# Altium PCB Mainboard.PcbDoc (part 1 of 4)
Units mm, origin at the board's own origin, x right, y up, seen from the top; angles counter-clockwise.
Board outline 90 x 175 mm, 2 copper layers (L1_Top, L14_Bot), stack 1.67 mm thick; 329 components, 192 nets, 950 pads, 1091 vias.
Unrouted connection lines stored in the file: 3.
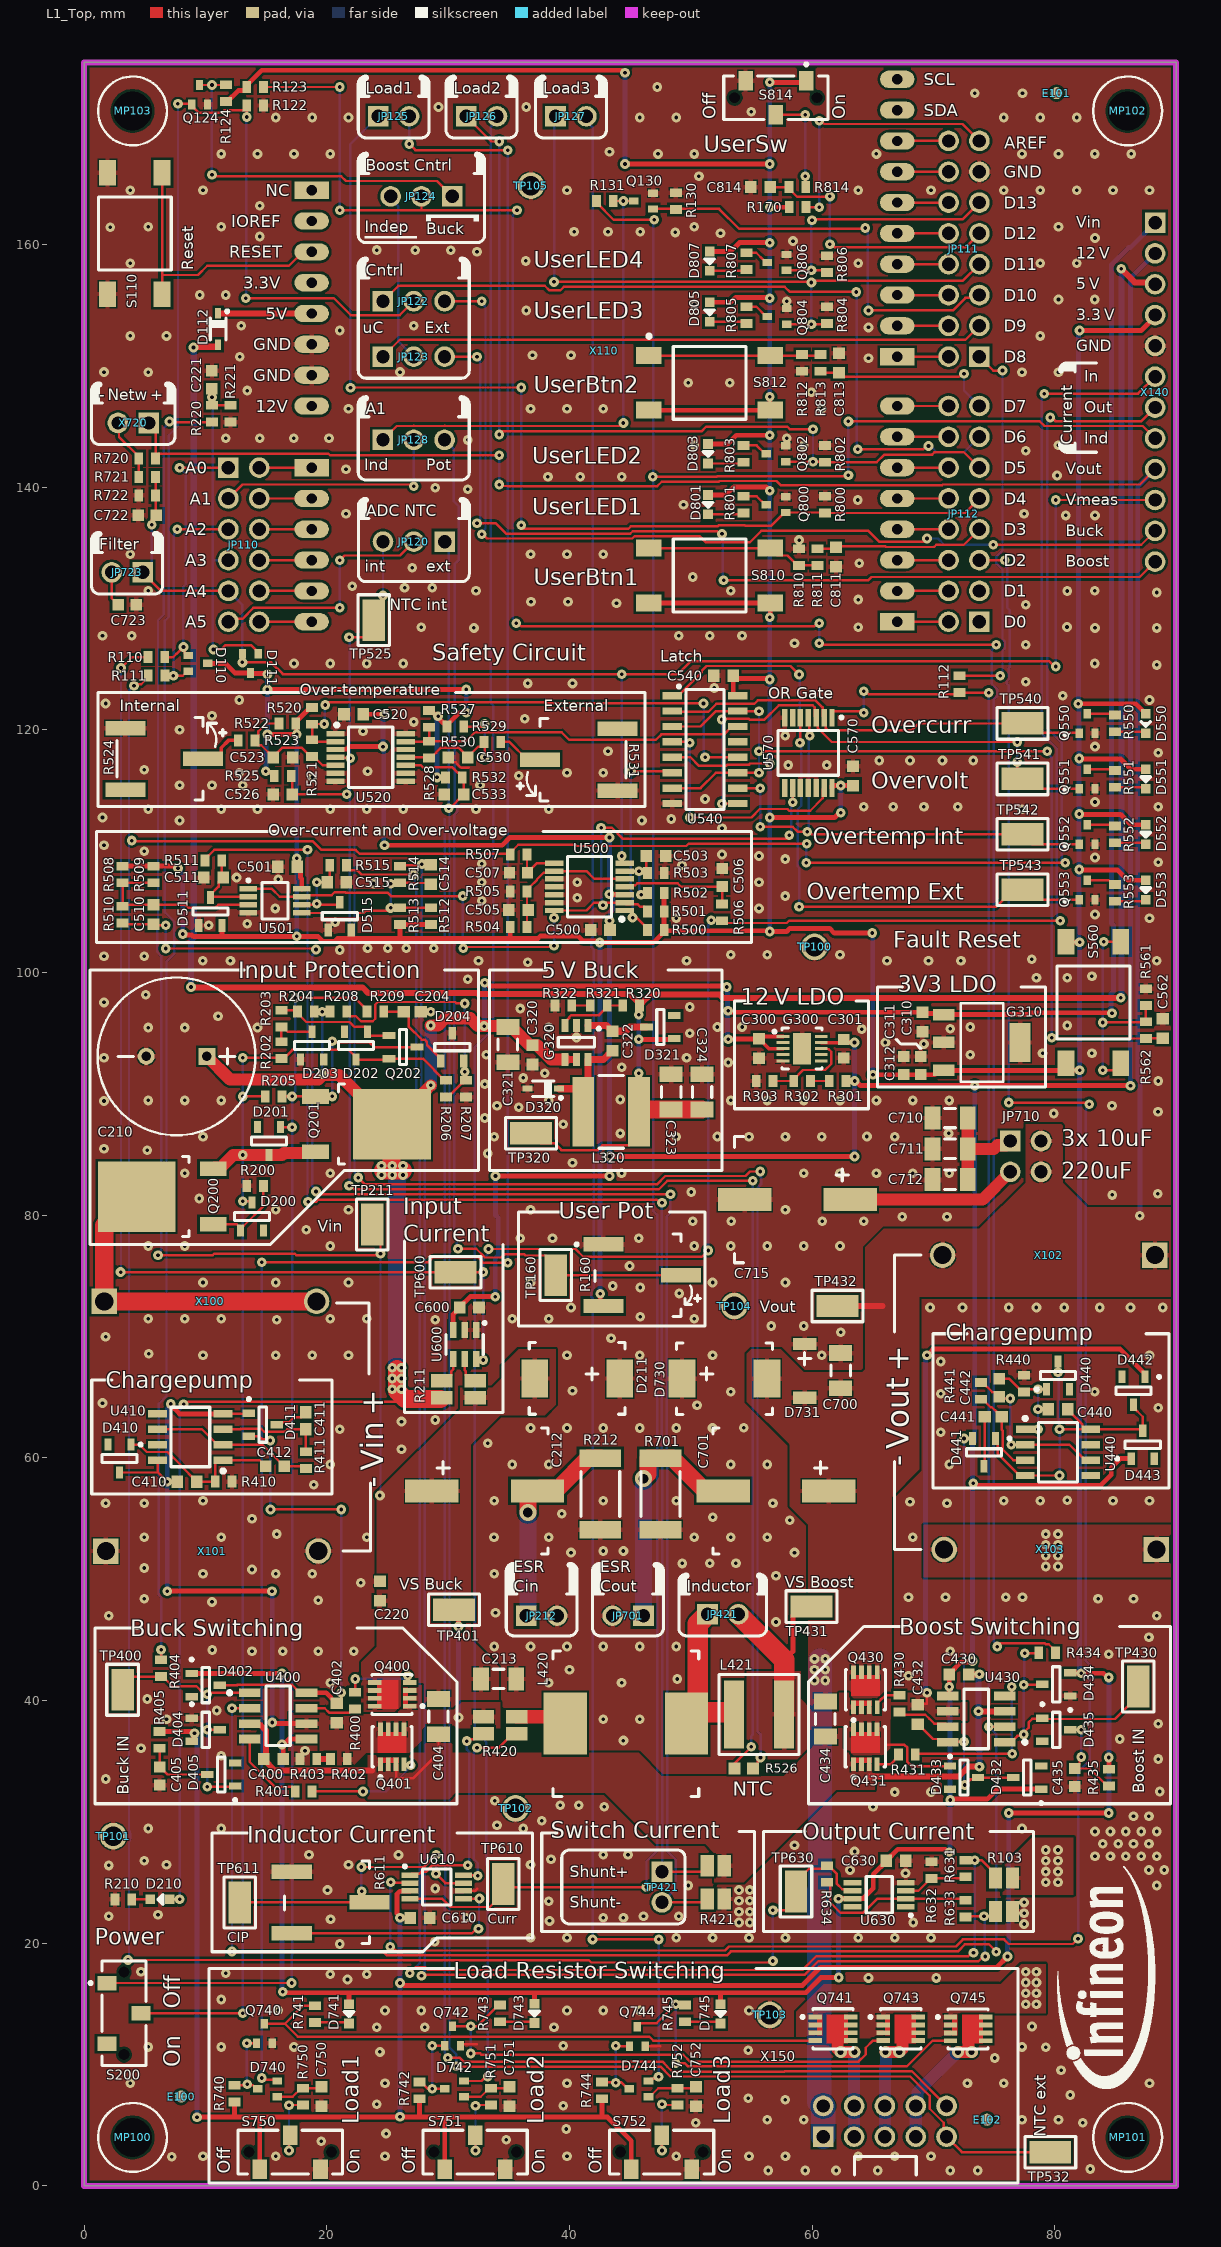
[diagram p0: L1_Top view]
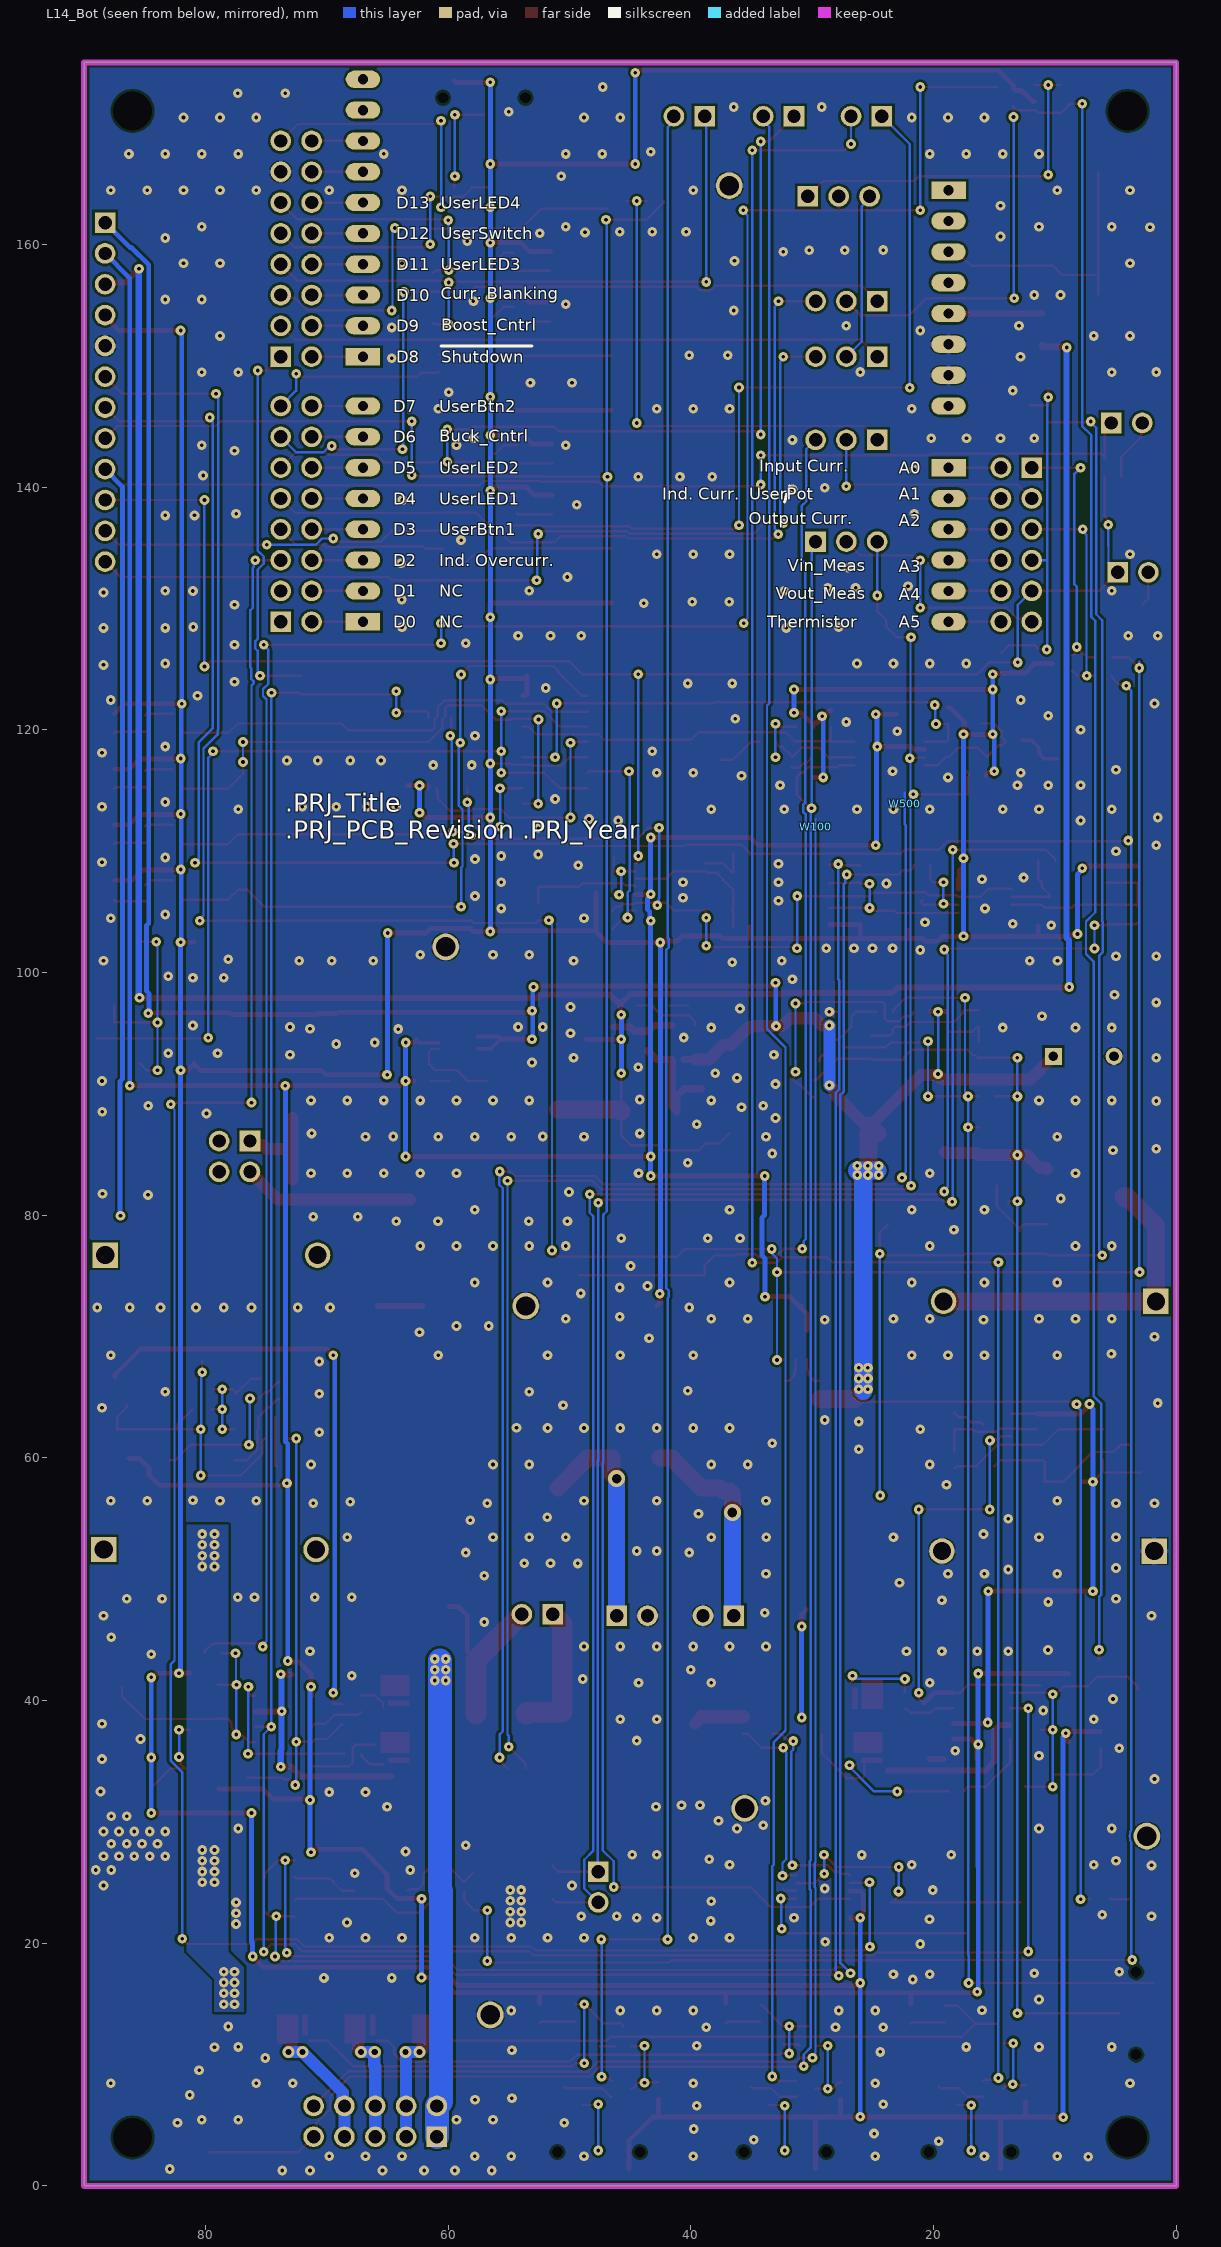
[diagram p1: L14_Bot view, seen from below]

## Layer stack, top to bottom
Top Solder: solder mask 0.02, Solder Resist, Dk 3.5
L1_Top: signal copper 0.035
Dielectric: prepreg 1.6, FR-4, Dk 4.3
L14_Bot: signal copper 0.035
Bottom Solder: solder mask 0.02, Solder Resist, Dk 3.5

## Board outline
0,0 0,175 90,175 90,0

## Design rules (kind name [scope] priority, off if disabled: settings)
Clearance Clearance_Fiducials [InComponentClass('Fiducials')] p1 off: gap=1 ignorepadtopadclearanceinfootprint=FALSE except(0: Arc-Hole Track-Hole SMDPad-Hole THPad-Hole Via-Hole Fill-Hole Poly-Hole Region-Hole Text-Hole)
Clearance Clearance_Edge_Fiducials [InComponentClass('Fiducials')] p2 off: gap=6 ignorepadtopadclearanceinfootprint=FALSE except(0: Arc-Hole Track-Hole SMDPad-Hole THPad-Hole Via-Hole Fill-Hole Poly-Hole Region-Hole Text-Hole) // Protel DXP Scope 2 Expression Was: IsBoardOutline
Clearance Clearance_All [All] p3: gap=0.2 ignorepadtopadclearanceinfootprint=FALSE // minimum Clearance on PCB
ComponentClearance ComponentClearance_All [All] p1: gap=0.2 collisioncheckmode=3 verticalgap=1 showdistances=FALSE
DiffPairsRouting DiffPairsRouting_Z0_DIFF_100R [InNetClass('Z0_DIFF_100R')] p1: maxlimit=0.2 minlimit=0.2 mostfreqgap=0.2 toplayer_minwidth=0.381 toplayer_maxwidth=0.381 toplayer_prefwidth=0.381 bottomlayer_minwidth=0.381 bottomlayer_maxwidth=0.381 bottomlayer_prefwidth=0.381 maxuncoupledlength=25
DiffPairsRouting DiffPairsRouting_All [All] p2: maxlimit=0.5 minlimit=0.12 mostfreqgap=0.15 toplayer_minwidth=0.381 toplayer_maxwidth=0.381 toplayer_prefwidth=0.381 bottomlayer_minwidth=0.381 bottomlayer_maxwidth=0.381 bottomlayer_prefwidth=0.381 maxuncoupledlength=25
FabricationTestPointUsage TestPointUsage [All] p1: valid=0 allowmultiple=FALSE
FabricationTestpoint Testpoint [All] p1: side=3 testpointundercomponent=TRUE minsize=1 maxsize=2.5 preferedsize=1.5 minholesize=0 maxholesize=1 preferedholesize=0.8 testpointgrid=0.025 allowsidetop=TRUE allowsidebottom=TRUE usegrid=TRUE gridtolerance=0
FanoutControl Fanout_LCC [All] p1 off: bgadir=Out bgaviamode=Centered fanoutstyle=Auto fanoutdirection=Alternating viagrid=0.025 // Protel DXP Scope 1 Expression Was: IsLCC   Fanout_LCC (Default Rule)
FanoutControl Fanout_BGA [All] p2 off: bgadir=Out bgaviamode=Centered fanoutstyle=Auto fanoutdirection=Alternating viagrid=0.025 // Protel DXP Scope 1 Expression Was: IsBGA   Fanout_BGA (Default Rule)
FanoutControl Fanout_SOIC [All] p3 off: bgadir=Out bgaviamode=Centered fanoutstyle=Auto fanoutdirection=Alternating viagrid=0.025 // Protel DXP Scope 1 Expression Was: IsSOIC   Fanout_SOIC (Default Rule)
FanoutControl Fanout_Default [All] p4: bgadir=Out bgaviamode=Centered fanoutstyle=Auto fanoutdirection=Alternating viagrid=0.025 // Fanout_Default (Default Rule)
FanoutControl Fanout_Small [All] p5 off: bgadir=Out bgaviamode=Centered fanoutstyle=Auto fanoutdirection=Alternating viagrid=0.025 // Protel DXP Scope 1 Expression Was: (CompPinCount < 5)   Fanout_Small (Default Rule)
Height Height_Top_In_Area [WithinRoom('Height_Top_Area')] p1: minheight=0 maxheight=8.4 prefheight=5.7 // Dedicated Height Constraint in Area
Height Height_Bot_No_Constraint [InComponentClass('Height_Bottom_exclude')] p2: minheight=0 maxheight=999 prefheight=12.7 // no max. Height constraint on Bottom Side
Height Height_Top_No_Constraint [InComponentClass('Height_Top_exclude')] p3: minheight=0 maxheight=999 prefheight=12.7 // no max. Height constraint on Top Side
Height Height_Bot [OnBottom] p4: minheight=0 maxheight=3 prefheight=2.5 // max. Component Height on PCB Bottom Side
Height Height_All [All] p5: minheight=0 maxheight=50 prefheight=12.7 // Default Component Height
HoleSize HoleSize_All [All] p1: absolutevalues=TRUE maxlimit=6.3 minlimit=0.3 maxpercent=80.000 minpercent=20.000
HoleToHoleClearance [All] p1: gap=0.25 allowstackedmicrovias=TRUE
Length Length_HighSpeed [InNetClass('HighSpeed')] p1: maxlimit=250 minlimit=0
Length Length_Default [InNetClass('TraceLength')] p2: maxlimit=500 minlimit=0 // min./max. Trace Length will be applied
MatchedLengths MatchedLengths_HighSpeed [InNetClass('HighSpeed')] p1: tolerance=25.4 checknetsindiffpair=FALSE checkdiffpairvsdiffpair=TRUE checkxsignals=TRUE checkothers=TRUE
MatchedLengths MatchedLengths_Default [InNetClass('MatchedLength')] p2: tolerance=100.5 checknetsindiffpair=TRUE checkdiffpairvsdiffpair=FALSE checkxsignals=FALSE checkothers=FALSE // Default Length Matching
MaxMinImpedance MaxMinImpedance_Z0_50R [InNetClass('Z0_50R')] p1: minimum=45,00 maximum=55,00 // Impedance Tolerance for 50 Ohms Traces
MaxMinImpedance MaxMinImpedance_All [All] p2: minimum=30,00 maximum=80,00 // Default Impedance Tolerance
MaximumViaCount MaximumViaCount_CLK [InNetClass('Clock')] p1: limit=10
MaximumViaCount MaximumViaCount_HighSpeed [InNetClass('HighSpeed')] p2: limit=10 // Max. Number of Vias in Net
MinimumAnnularRing MinimumAnnularRing_All [All] p1: minimumring=0.25
MinimumSolderMaskSliver [All] p1: minsoldermaskwidth=0.2
NetAntennae NetAntennae_High_Speed [InNetClass('HighSpeed')] p1: netantennaetolerance=3
NetAntennae NetAntennae_All [not InNet('<IGNORE DRC>')] p2: netantennaetolerance=10
ParallelSegment ParallelSegment_Broad_Default [InNetClass('XTalk_Broadside_Coupled') vs InNetClass('HighSpeed') Or InNetClass('XTalk_Broadside_Coupled') Or InNetClass('XTalk_Edge_Coupled')] p1: limit=15 gap=0.2 // Default Rule for Broadside-Coupled Traces
ParallelSegment ParallelSegment_Edge_Default [InNetClass('XTalk_Edge_Coupled') vs InNetClass('HighSpeed') Or InNetClass('XTalk_Broadside_Coupled') Or InNetClass('XTalk_Edge_Coupled')] p2: limit=15 gap=0.12 // Default Rule for Edge-Coupled Traces
ParallelSegment ParallelSegment_Default [InNetClass('HighSpeed') vs InNetClass('HighSpeed')] p3: limit=25 gap=0.12 // Max. Coupled Length for all High-Speed Signals
PlaneClearance PlaneClearance_HighVoltage [InNetClass('HighVoltage')] p1: clearance=0.5
PlaneClearance [All] p2: clearance=0.2
PlaneConnect PlaneConnect_All [All] p1: planeconnectstyle=Direct reliefexpansion=0.2 reliefentries=4 reliefconductorwidth=0.25 reliefairgap=0.2
PolygonConnect [HasFootprint('TO170P1500X450-6N-V')] p1: connectstyle=Direct reliefconductorwidth=0.254 reliefentries=4 polygonreliefangle="90 Angle" airgapwidth=0.254
PolygonConnect PolygonConnectVia [IsVia] p2: connectstyle=Direct reliefconductorwidth=0.254 reliefentries=4 polygonreliefangle="90 Angle" airgapwidth=0.254
PolygonConnect PolygonConnect_All [All] p3: connectstyle=Relief reliefconductorwidth=0.4 reliefentries=4 polygonreliefangle="90 Angle" airgapwidth=0.1 // Default Polygon Connection
RoutingCorners [All] p1: cornerstyle=45-Degree minsetback=2 maxsetback=2
RoutingTopology RoutingTopology_CLK [InNetClass('Clock')] p1: topology=Daisy_Balanced
RoutingTopology RoutingTopology_HighSpeed [InNetClass('HighSpeed')] p2: topology=Daisy_Simple
RoutingTopology RoutingTopology_All [All] p3: topology=Shortest
RoutingVias RoutingVias_All [All] p1: holewidth=0.3 width=0.8 viastyle="Through Hole" minholewidth=0.3 minwidth=0.8 maxholewidth=1.5 maxwidth=2 // Default Via size
SilkToSilkClearance [All] p1: silktosilkclearance=0.15
SilkToSolderMaskClearance SilkscreenOverComponentPads [IsPad] p1: minsilkscreentomaskgap=0.2 clearancetoexposedcopper=TRUE
SolderMaskExpansion [All] p1: expansion=0.1 istentingtop=TRUE
StubLength StubLength_CLK [InNetClass('Clock')] p1: limit=25
StubLength StubLength_HighSpeed [InNetClass('HighSpeed')] p2: limit=30
SupplyNets SupplyNets_GND [InNet('GND')] p1: voltage=0,000
SupplyNets SupplyNets_12V [InNetClass('PWR_Supply_12V')] p2: voltage=12,00
SupplyNets SupplyNets_5V0 [InNetClass('PWR_Supply_5V0')] p3: voltage=5,000
SupplyNets SupplyNets_3V3 [InNetClass('PWR_Supply_3V3')] p4: voltage=3,000
SupplyNets SupplyNets_1V0 [InNetClass('PWR_Supply_1V0')] p5: voltage=1,000
UnRoutedNet [not InNet('<IGNORE DRC>')] p1: checkbadconnections=TRUE
Width Width_HighCurrent [All] p1 off: maxlimit=5 minlimit=0.3 preferedwidth=0.3 // Width for High-Current Traces
Width Width_BGA_Fanout [WithinRoom('BGA_Fanout_Area')] p2 off: maxlimit=1 minlimit=0.1 preferedwidth=0.1 // Trace Width for BGA Fanout Area
Width Width_Z0_DIFF_100R [InNetClass('Z0_DIFF_100R')] p3 off: maxlimit=0.12 minlimit=0.12 preferedwidth=0.12 minimp=50.000000 maximp=50.000000 favimp=50.000000
Width Width_Z0_50R [InNetClass('Z0_50R')] p4 off: maxlimit=0.16 minlimit=0.16 preferedwidth=0.16 minimp=50.000000 maximp=50.000000 favimp=50.000000
Width Width_PWR [InNetClass('Power')] p5 off: maxlimit=5 minlimit=0.2 preferedwidth=0.2 // Width for Power and GND nets
Width Width_All [not InNet('<IGNORE DRC>')] p6: maxlimit=10 minlimit=0.2 preferedwidth=0.2 minimp=50.000000 maximp=50.000000 favimp=50.000000 // minimum Width on PCB
9 further rules are at their usual default settings.

## Classes and differential pairs
component class U_User: C811 C813 C814 D801 D803 D805 D807 Q800 Q802 Q804 Q806 R800 R801 R802 R803 R804 R805 R806 R807 R810 R811 R812 R813 R814 S810 S812 S814
component class U_Safety: C500 C501 C503 C505 C506 C507 C510 C511 C514 C515 C520 C523 C526 C530 C533 C540 C562 C570 D511 D515 D550 D551 D552 D553 Q550 Q551 Q552 Q553 R500 R501 R502 R503 R504 R505 R506 R507 R508 R509 R510 R511 R512 R513 R514 R515 R520 R521 R522 R523 R524 R525 R526 R527 R528 R529 R530 R531 R532 R550 R551 R552 R553 R561 R562 S560 TP525 TP532 TP540 TP541 TP542 TP543 U500 U501 U520 U540 U570 W500
component class U_PowerSupply: C300 C301 C310 C311 C312 C320 C321 C322 C323 C324 D320 D321 G300 G310 G320 L320 R301 R302 R303 R320 R321 R322 TP320
component class U_PowerStage: C400 C402 C404 C405 C410 C411 C412 C430 C431 C432 C434 C435 C440 C441 C442 D402 D404 D405 D410 D411 D432 D433 D434 D435 D440 D441 D442 D443 JP421 L420 L421 Q400 Q401 Q430 Q431 R400 R401 R402 R403 R404 R405 R410 R411 R420 R421 R430 R431 R434 R435 R440 R441 TP400 TP401 TP410 TP421 TP430 TP431 TP432 TP440 U400 U410 U430 U440
component class U_Output: C700 C701 C710 C711 C712 C715 C722 C723 C750 C751 C752 D730 D731 D740 D741 D742 D743 D744 D745 JP701 JP710 JP723 Q740 Q741 Q742 Q743 Q744 Q745 R701 R720 R721 R722 R740 R741 R742 R743 R744 R745 R750 R751 R752 S750 S751 S752 X720
component class U_Input: C204 C210 C212 C213 C220 C221 D200 D201 D202 D203 D204 D210 D211 JP212 Q200 Q201 Q202 R200 R202 R203 R204 R205 R206 R207 R208 R209 R210 R211 R212 R220 R221 S200 TP211
component class U_CurrentSensors: C600 C610 C630 R611 R631 R632 R633 R634 TP600 TP610 TP611 TP630 U600 U610 U630
component class "02 Top Level": D110 D111 D112 E100 E101 E102 JP110 JP111 JP112 JP120 JP122 JP123 JP124 JP125 JP126 JP127 JP128 MP100 MP101 MP102 MP103 Q124 Q130 R103 R110 R111 R112 R122 R123 R124 R130 R131 R160 R170 S110 TP100 TP101 TP102 TP103 TP104 TP105 TP160 W100 X100 X101 X102 X103 X110 X140 X150

## Components (designator, comment, footprint, x,y, rotation, side; value= is the part's Value field where it differs from the comment)
C204 "10nF" CAPC1608X90N-4 27.051,96.774 r180 top
C210 "1mF" CAPPRD500W60D1300H2700B 7.62,93.091 r180 top
C212 "220uF" CAPAE1030X1050N-2 33.02,57.277 r0 top
C213 "10uF" CAPC3216X190N-1 34.163,41.783 r180 top
C220 "100nF" CAPC1608X90N-2 24.384,49.022 r270 top
C221 "1nF" CAPC1608X87N-1 10.541,148.844 r270 top
C300 "100nF" CAPC1608X90N-2 55.626,93.726 r90 top
C301 "2.2uF" CAPC1608X90N-3 62.611,93.714 r90 top
C310 "100nF" CAPC1608X90N-2 69.088,95.923 r90 top
C311 "2.2uF" CAPC1608X90N-3 68.961,92.329 r270 top
C312 "2.2uF" CAPC1608X90N-3 67.564,92.329 r270 top
C320 "100nF" CAPC1608X90N-2 36.957,93.218 r90 top
C321 "10uF" CAPC3216X190N-1 34.925,94.054 r90 top
C322 "100nF" CAPC1608X90N-2 43.561,94.361 r90 top
C323 "10uF" CAPC3216X190N-1 48.387,90.17 r270 top
C324 "10uF" CAPC3216X190N-1 50.927,90.17 r270 top
C400 "100nF" CAPC1608X90N-2 15.615,35.179 r0 top
C402 "100nF" CAPC1608X90N-2 20.822,38.989 r90 top
C404 "10uF" CAPC3216X190N-1 29.21,38.682 r90 top
C405 "2.2uF" CAPC1608X90N-3 6.223,33.782 r90 top
C410 "100nF" CAPC1608X90N-2 8.471,58.039 r180 top
C411 "10nF" CAPC1608X90N-4 18.288,63.057 r270 top
C412 "1nF" CAPC1608X87N-1 15.736,59.309 r0 top
C430 "100nF" CAPC1608X90N-2 72.098,42.164 r180 top
C432 "100nF" CAPC1608X90N-2 68.701,38.862 r270 top
C434 "10uF" CAPC3216X190N-1 61.087,38.481 r90 top
C435 "2.2uF" CAPC1608X90N-3 81.661,33.655 r90 top
C440 "100nF" CAPC1608X90N-2 80.258,64.008 r0 top
C441 "10nF" CAPC1608X90N-4 74.93,63.373 r180 top
C442 "1nF" CAPC1608X87N-1 75.432,65.786 r270 top
C500 "100nF" CAPC1608X90N-2 42.545,103.505 r180 top
C501 "100nF" CAPC1608X90N-2 16.764,108.712 r180 top
C503 "100nF" CAPC1608X90N-2 47.123,109.601 r180 top
C505 "100nF" CAPC1608X90N-2 35.814,105.156 r0 top
C506 "2.2uF" CAPC1608X90N-3 52.578,107.823 r270 top
C507 "2.2uF" CAPC1608X90N-3 35.808,108.204 r0 top
C510 "100nF" CAPC1608X90N-2 5.715,104.775 r90 top
C511 "22pF" CAPC1608X90N-2 10.668,107.823 r0 top
C514 "100nF" CAPC1608X90N-2 28.575,108.077 r270 top
C515 "22pF" CAPC1608X90N-2 20.828,107.442 r180 top
C520 "100nF" CAPC1608X90N-2 22.225,121.285 r180 top
C523 "100nF" CAPC1608X90N-2 16.383,117.729 r180 top
C526 "100nF" CAPC1608X90N-2 16.377,114.681 r0 top
C530 "100nF" CAPC1608X90N-2 30.823,117.729 r0 top
C533 "100nF" CAPC1608X90N-2 30.48,114.681 r0 top
C540 "100nF" CAPC1608X90N-2 52.705,124.46 r0 top
C562 "100nF" CAPC1608X90N-2 88.9,95.377 r90 top
C570 "100nF" CAPC1608X90N-2 63.373,116.205 r90 top
C600 "100nF" CAPC1608X90N-2 31.75,72.39 r180 top
C610 "100nF" CAPC1608X90N-2 27.686,22.098 r180 top
C630 "100nF" CAPC1608X90N-2 66.929,26.797 r180 top
C700 "10uF" CAPC3216X190N-1 62.357,67.183 r270 top
C701 "220uF" CAPAE1030X1050N-2 57.023,57.277 r180 top
C710 "10uF" CAPC3216X190N-1 71.374,88.005 r0 top
C711 "10uF" CAPC3216X190N-1 71.374,85.465 r0 top
C712 "10uF" CAPC3216X190N-1 71.374,82.931 r0 top
C715 "220uF" CAPAE1030X1050N-2 58.801,81.28 r180 top
C722 "1nF" CAPC1608X87N-1 5.207,137.668 r0 top
C723 "1nF" CAPC1608X87N-1 3.556,130.308 r180 top
C750 "100nF" CAPC1608X90N-2 19.558,7.366 r90 top
C751 "100nF" CAPC1608X90N-2 35.052,7.366 r90 top
C752 "100nF" CAPC1608X90N-2 50.419,7.366 r90 top
C811 "100nF" CAPC1608X90N-2 61.976,134.239 r90 top
C813 "100nF" CAPC1608X90N-2 62.224,150.241 r270 top
C814 "100nF" CAPC1608X90N-2 55.747,164.719 r0 top
D110 "BAT54-05W" SOT65P210X100-3N-1-V 9.398,125.476 r0 top
D111 "BAT54-05W" SOT65P210X100-3N-1-V 13.716,125.476 r270 top
D112 "BAS3010A-03W" SOD2513X110N 11.049,153.035 r270 top
D200 "12V" SOT95P230X110-3N 13.843,79.883 r90 top
D201 "12V" SOT95P230X110-3N 15.24,86.106 r270 top
D202 "12V" SOT95P230X110-3N 22.413,93.973 r270 top
D203 "20V" SOT95P230X110-3N 18.796,93.973 r90 top
D204 "ATL431AQDBZR" SOT95P237X112-3N-1 30.353,93.853 r90 top
D210 "Red" LEDSC160X80X80-2N-1 6.261,23.622 r0 top
D211 "SMDJ20A" DIOM7959X262N 40.64,66.548 r0 top
D320 "BAS3010A-03W" SOD2513X110N 37.846,90.424 r180 top
D321 "BAS70-04" SOT95P240X110-3N-1 47.498,95.504 r180 top
D402 "BAS70-04" SOT95P240X110-3N-1 10.026,41.275 r0 top
D404 "BAS70-04" SOT95P240X110-3N-1 10.033,37.592 r0 top
D405 "BAS70-04" SOT95P240X110-3N-1 11.303,33.909 r180 top
D410 "15V" SOT95P230X110-3N 2.921,59.944 r270 top
D411 "BAS70-04" SOT95P240X110-3N-1 14.732,62.738 r0 top
D432 "BAS70-04" SOT95P240X110-3N-1 77.724,33.655 r180 top
D433 "15V" SOT95P230X110-3N 72.517,33.655 r0 top
D434 "BAS70-04" SOT95P240X110-3N-1 80.124,41.336 r180 top
D435 "BAS70-04" SOT95P240X110-3N-1 80.124,37.592 r0 top
D440 "15V" SOT95P230X110-3N 80.264,66.802 r90 top
D441 "BAS70-04" SOT95P240X110-3N-1 74.162,60.452 r270 top
D442 "BAS70-04" SOT95P240X110-3N-1 86.487,65.532 r270 top
D443 "BAS70-04" SOT95P240X110-3N-1 87.249,61.087 r90 top
D511 "BAS70-04" SOT95P240X110-3N-1 10.414,105.029 r90 top
D515 "BAS70-04" SOT95P240X110-3N-1 21.082,104.648 r90 top
D550 "Red" LEDSC160X80X80-2N-1 87.497,120.523 r90 top
D551 "Red" LEDSC160X80X80-2N-1 87.497,115.951 r90 top
D552 "Red" LEDSC160X80X80-2N-1 87.497,111.379 r90 top
D553 "Red" LEDSC160X80X80-2N-1 87.497,106.807 r90 top
D730 "SMC5K40A-M3/I" DIOM7959X262N 52.784,66.534 r180 top
D731 "PMEG6030ETPX" SODFL4725X110N 59.388,67.169 r90 top
D740 "BAT54-06W" SOT65P210X100-3N-1-V 15.113,8.001 r180 top
D741 "Red" LEDSC160X80X80-2N-1 21.844,14.186 r90 top
D742 "BAT54-06W" SOT65P210X100-3N-1-V 30.518,8.001 r180 top
D743 "Red" LEDSC160X80X80-2N-1 37.116,14.224 r90 top
D744 "BAT54-06W" SOT65P210X100-3N-1-V 45.72,8.001 r180 top
D745 "Red" LEDSC160X80X80-2N-1 52.451,14.186 r90 top
D801 "Red" LEDSC160X80X80-2N-1 51.429,138.557 r90 top
D803 "Red" LEDSC160X80X80-2N-1 51.429,142.748 r90 top
D805 "Red" LEDSC160X80X80-2N-1 51.556,154.432 r90 top
D807 "Red" LEDSC160X80X80-2N-1 51.556,158.623 r90 top
E100 "" fiducial 8.001,7.366 r180 top
E101 "" fiducial 80.137,172.466 r90 top
E102 "" fiducial 74.422,5.461 r180 top
G300 "TLS805B1LDV" SON50P330X330X110-11N-V 59.174,93.724 r0 top
G310 "TPS7B8333QDCYRQ1" SOT230P700X180-4N 73.989,94.234 r0 top